# KiCad board WS2812B LED Ring7.kicad_pcb (continued)
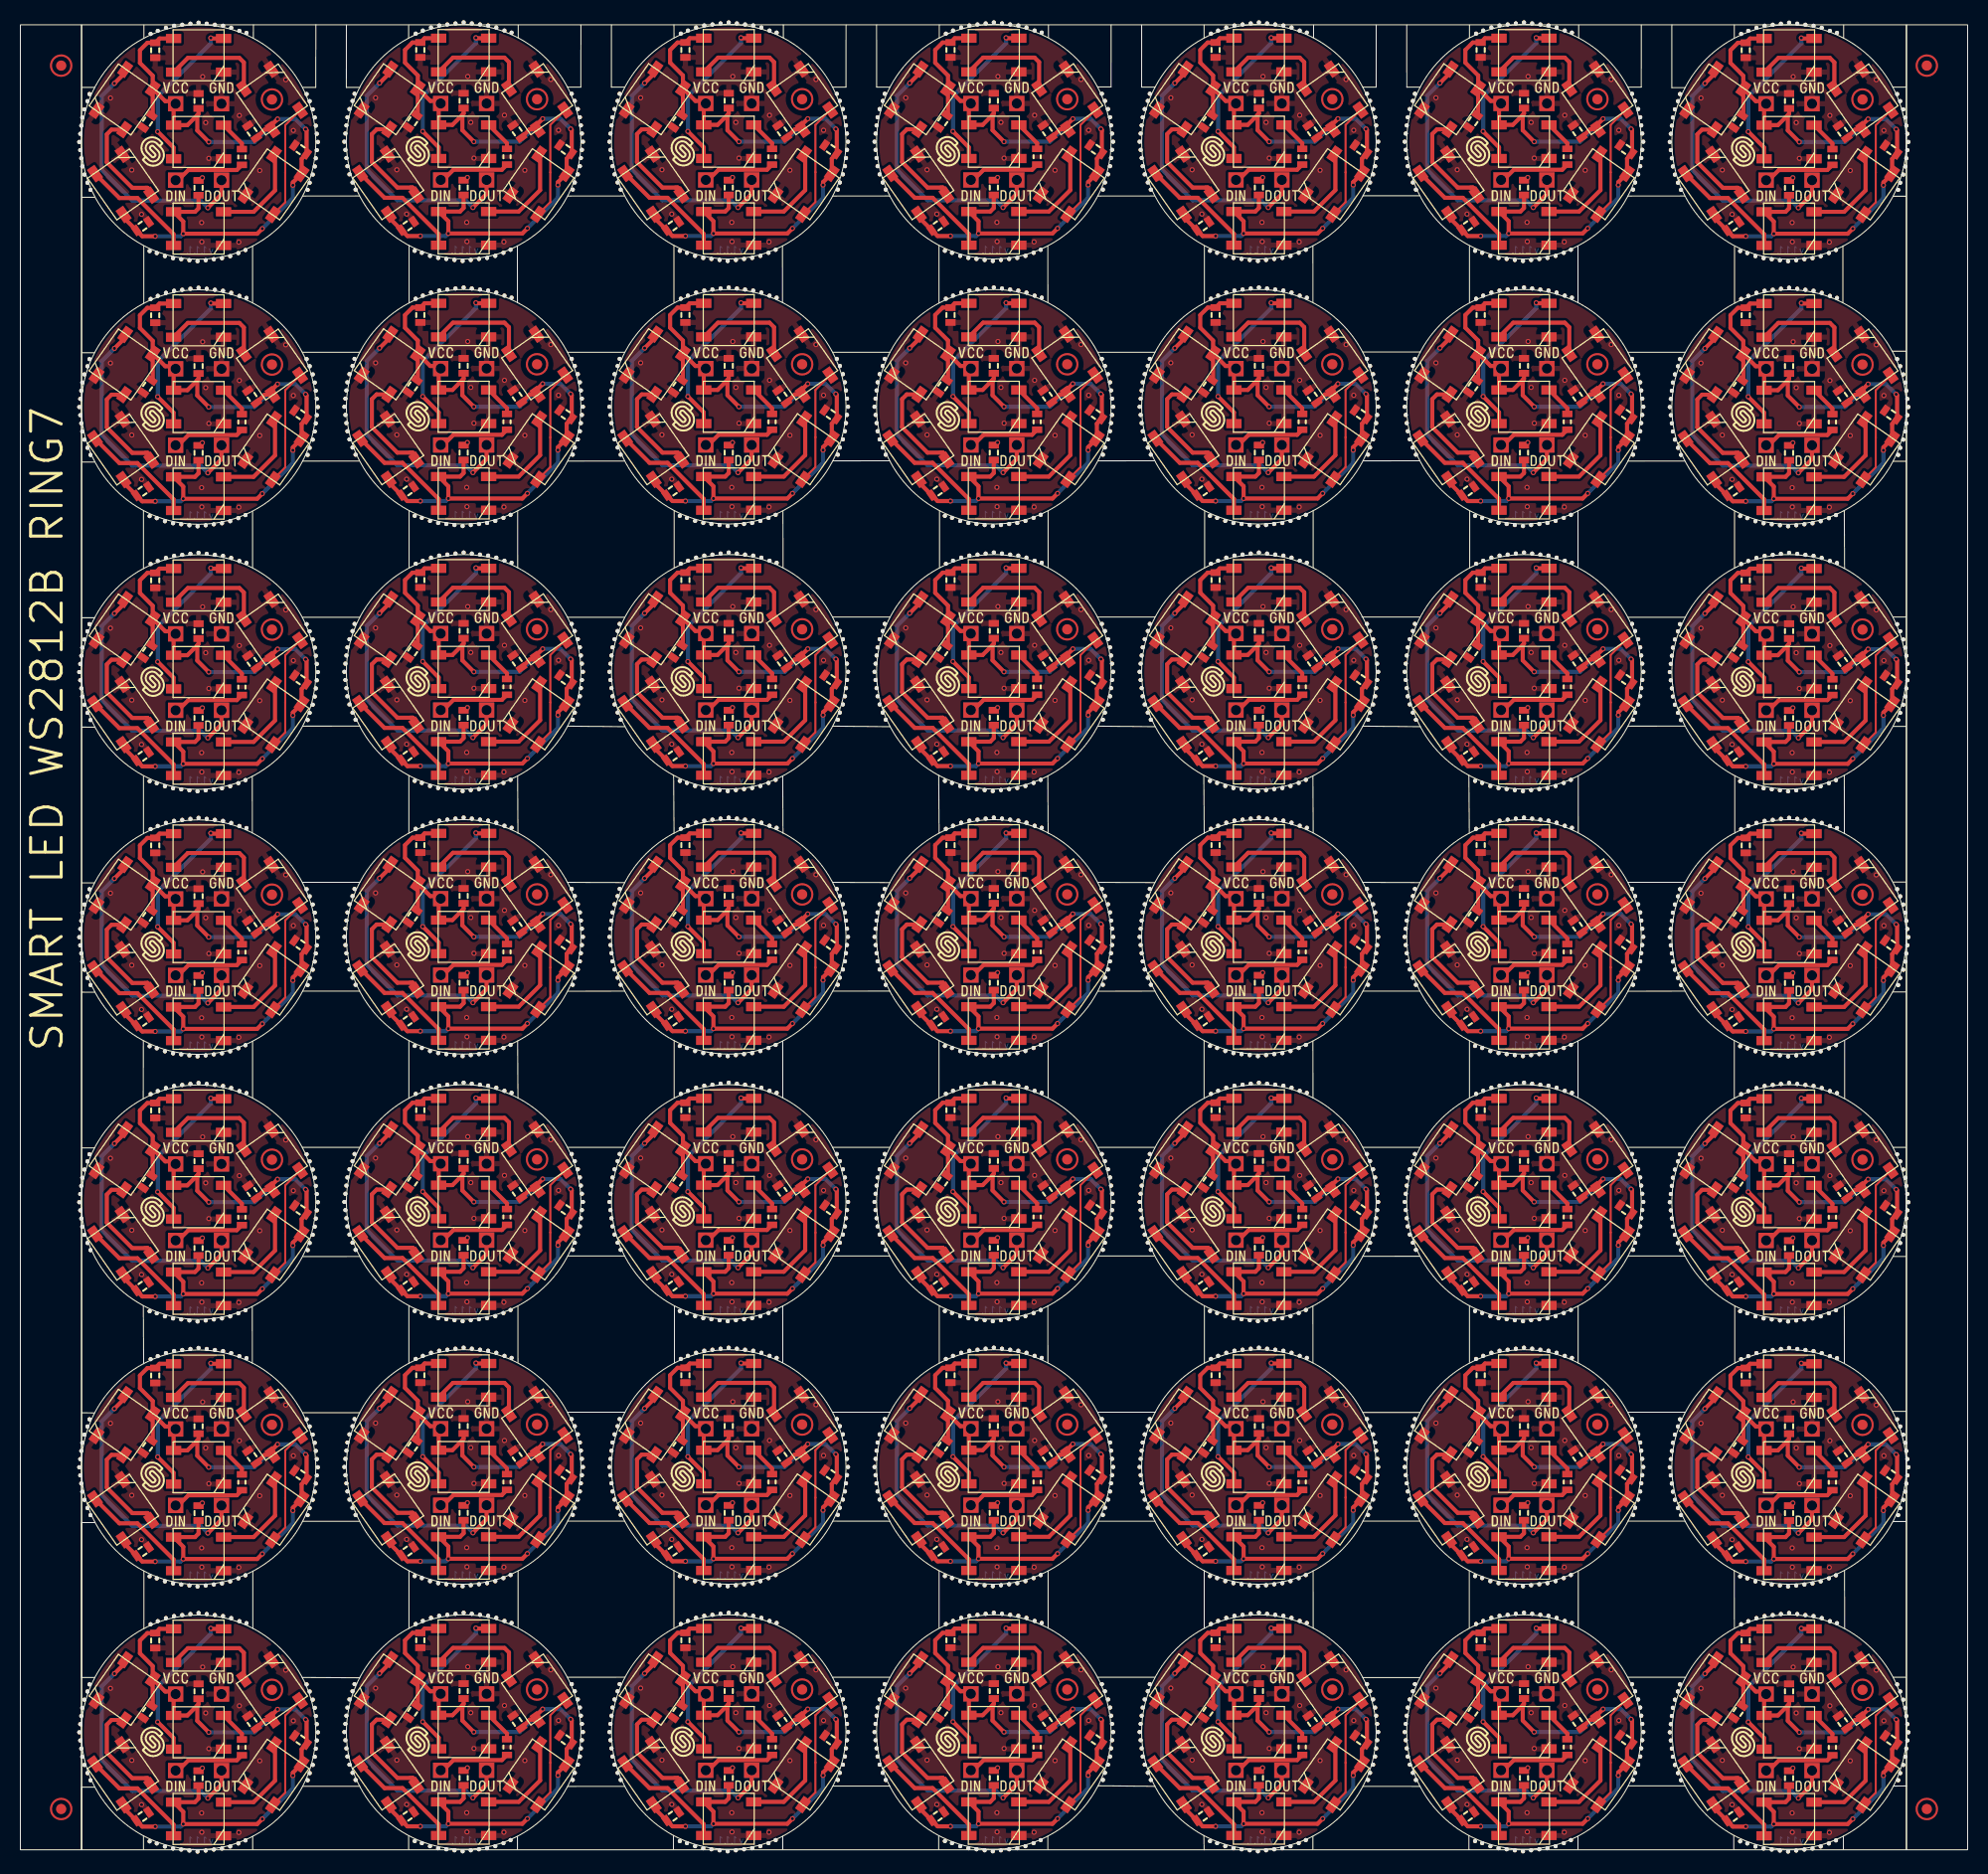
[diagram p0: board, top side]
## Placement (name value [footprint] x y rotation side) (continued)
REF**#2178  -  [HOLE_0.5mm]  159.18 115.56 0 top
REF**#2179  -  [HOLE_0.5mm]  143.47 178.46 90 top
REF**#2180  -  [HOLE_0.5mm]  136.57 119.56 180 top
REF**#2181  -  [HOLE_0.5mm]  71.07 23.06 90 top
REF**#2182  -  [HOLE_0.5mm]  162.07 169.94 180 top
REF**#2183  Logo-Front-SolderedFULL-15mm  [Logo-Back-SolderedFULL-15mm]  43.91 167.82 0 top
REF**#2184  -  [HOLE_0.5mm]  146.68 23.16 90 top
REF**#2185  -  [HOLE_0.5mm]  80.88 87.16 0 top
REF**#2186  Logo-Front-SolderedFULL-15mm  [Logo-Back-SolderedFULL-15mm]  121.91 141.82 0 top
REF**#2187  -  [HOLE_0.5mm]  57.88 10.76 180 top
REF**#2188  -  [HOLE_0.5mm]  158.68 66.76 0 top
REF**#2189  -  [HOLE_0.5mm]  84.07 169.96 180 top
REF**#2190  -  [HOLE_0.5mm]  97.88 152.96 90 top
REF**#2191  -  [HOLE_0.5mm]  126.18 100.26 90 top
REF**#2192  -  [HOLE_0.5mm]  81.07 142.36 0 top
REF**#2193  -  [HOLE_0.5mm]  67.78 156.06 270 top
REF**#2194  -  [HOLE_0.5mm]  161.78 63.53 180 top
REF**#2195  -  [HOLE_0.5mm]  136.28 60.36 180 top
REF**#2196  -  [HOLE_0.5mm]  58.78 94.26 180 top
REF**#2197  -  [HOLE_0.5mm]  19.78 0.13 270 top
REF**#2198  -  [HOLE_0.5mm]  143.38 0.66 270 top
REF**#2199  -  [HOLE_0.5mm]  174.18 -0.06 270 top
REF**#2200  -  [HOLE_0.5mm]  151.47 152.46 90 top
REF**#2201  -  [HOLE_0.5mm]  91.47 74.46 90 top
REF**#2202  -  [HOLE_0.5mm]  70.18 103.96 270 top
REF**#2203  -  [HOLE_0.5mm]  80.38 137.56 0 top
REF**#2204  -  [HOLE_0.5mm]  72.68 178.76 90 top
REF**#2205  -  [HOLE_0.5mm]  96.97 52.06 270 top
REF**#2206  -  [HOLE_0.5mm]  106.38 111.56 0 top
REF**#2207  -  [HOLE_0.5mm]  159.07 114.76 0 top
REF**#2208  -  [HOLE_0.5mm]  158.88 165.16 0 top
REF**#2209  -  [HOLE_0.5mm]  119.78 0.06 270 top
REF**#2210  -  [HOLE_0.5mm]  15.78 130.03 270 top
REF**#2211  -  [HOLE_0.5mm]  47.38 156.66 270 top
REF**#2212  -  [HOLE_0.5mm]  148.18 -0.04 270 top
REF**#2213  -  [HOLE_0.5mm]  32.78 42.26 180 top
REF**#2214  -  [HOLE_0.5mm]  161.97 139.94 180 top
REF**#2215  -  [HOLE_0.5mm]  66.97 156.16 270 top
REF**#2216  -  [HOLE_0.5mm]  132.07 120.26 0 top
REF**#2217  -  [HOLE_0.5mm]  161.97 91.13 180 top
REF**#2218  -  [HOLE_0.5mm]  144.97 130.16 270 top
REF**#2219  -  [HOLE_0.5mm]  28.67 14.73 0 top
REF**#2220  -  [HOLE_0.5mm]  143.47 100.46 90 top
REF**#2221  -  [HOLE_0.5mm]  158.38 111.56 0 top
REF**#2222  -  [HOLE_0.5mm]  118.97 104.16 270 top
REF**#2223  -  [HOLE_0.5mm]  54.88 113.16 0 top
REF**#2224  -  [HOLE_0.5mm]  123.78 26.16 270 top
REF**#2225  -  [HOLE_0.5mm]  73.38 26.66 270 top
REF**#2226  -  [HOLE_0.5mm]  68.57 51.96 270 top
REF**#2227  -  [HOLE_0.5mm]  80.38 119.56 0 top
REF**#2228  -  [HOLE_0.5mm]  161.97 13.13 180 top
REF**#2229  -  [HOLE_0.5mm]  46.58 130.36 270 top
REF**#2230  -  [HOLE_0.5mm]  106.38 67.56 0 top
REF**#2231  -  [HOLE_0.5mm]  67.88 75.06 90 top
REF**#2232  Logo-Front-SolderedFULL-15mm  [Logo-Back-SolderedFULL-15mm]  121.91 63.82 0 top
REF**#2233  -  [HOLE_0.5mm]  71.07 75.06 90 top
REF**#2234  -  [HOLE_0.5mm]  70.28 49.16 90 top
REF**#2235  -  [HOLE_0.5mm]  124.57 104.36 270 top
REF**#2236  -  [HOLE_0.5mm]  31.88 38.36 180 top
REF**#2237  -  [HOLE_0.5mm]  48.17 22.26 90 top
REF**#2238  -  [HOLE_0.5mm]  161.97 169.13 180 top
REF**#2239  -  [HOLE_0.5mm]  80.18 84.86 0 top
REF**#2240  -  [HOLE_0.5mm]  95.38 51.86 270 top
REF**#2241  -  [HOLE_0.5mm]  148.28 127.16 90 top
REF**#2242  -  [HOLE_0.5mm]  162.28 144.73 180 top
REF**#2243  -  [HOLE_0.5mm]  125.38 52.66 270 top
REF**#2244  -  [HOLE_0.5mm]  106.38 93.56 0 top
REF**#2245  -  [HOLE_0.5mm]  18.28 75.13 90 top
REF**#2246  -  [HOLE_0.5mm]  41.78 52.06 270 top
REF**#2247  -  [HOLE_0.5mm]  29.17 167.53 0 top
REF**#2248  -  [HOLE_0.5mm]  65.47 100.46 90 top
REF**#2249  -  [HOLE_0.5mm]  178.18 22.23 90 top
REF**#2250  -  [HOLE_0.5mm]  122.28 101.16 90 top
REF**#2251  -  [HOLE_0.5mm]  178.07 156.94 270 top
REF**#2252  -  [HOLE_0.5mm]  145.88 101.06 90 top
REF**#2253  -  [HOLE_0.5mm]  65.38 130.66 270 top
REF**#2254  -  [HOLE_0.5mm]  162.88 136.83 180 top
REF**#2255  -  [HOLE_0.5mm]  171.88 101.03 90 top
REF**#2256  -  [HOLE_0.5mm]  99.47 48.46 90 top
REF**#2257  -  [HOLE_0.5mm]  122.28 49.16 90 top
REF**#2258  -  [HOLE_0.5mm]  83.88 90.36 180 top
REF**#2259  -  [HOLE_0.5mm]  13.38 78.63 270 top
REF**#2260  -  [HOLE_0.5mm]  135.88 142.36 180 top
REF**#2261  -  [HOLE_0.5mm]  174.18 155.94 270 top
REF**#2262  -  [HOLE_0.5mm]  133.07 36.76 0 top
REF**#2263  -  [HOLE_0.5mm]  21.38 130.63 270 top
REF**#2264  -  [HOLE_0.5mm]  132.38 137.56 0 top
REF**#2265  -  [HOLE_0.5mm]  110.28 40.76 180 top
REF**#2266  -  [HOLE_0.5mm]  170.28 74.73 90 top
REF**#2267  -  [HOLE_0.5mm]  159.07 168.36 0 top
REF**#2268  -  [HOLE_0.5mm]  13.38 130.63 270 top
REF**#2269  -  [HOLE_0.5mm]  31.88 62.76 180 top
REF**#2270  -  [HOLE_0.5mm]  148.28 153.16 90 top
REF**#2271  -  [HOLE_0.5mm]  83.97 65.16 180 top
REF**#2272  -  [HOLE_0.5mm]  19.78 104.13 270 top
REF**#2273  -  [HOLE_0.5mm]  123.78 130.16 270 top
REF**#2274  -  [HOLE_0.5mm]  32.58 33.56 180 top
REF**#2275  -  [HOLE_0.5mm]  84.57 59.56 180 top
REF**#2276  -  [HOLE_0.5mm]  162.78 94.23 180 top
REF**#2277  -  [HOLE_0.5mm]  29.17 63.53 0 top
REF**#2278  -  [HOLE_0.5mm]  106.68 144.76 0 top
REF**#2279  -  [HOLE_0.5mm]  106.88 117.96 0 top
REF**#2280  -  [HOLE_0.5mm]  184.68 40.73 0 top
REF**#2281  -  [HOLE_0.5mm]  136.57 15.56 180 top
REF**#2282  -  [HOLE_0.5mm]  110.57 137.56 180 top
REF**#2283  -  [HOLE_0.5mm]  44.17 155.96 270 top
REF**#2284  -  [HOLE_0.5mm]  118.28 178.76 90 top
REF**#2285  -  [HOLE_0.5mm]  54.67 14.76 0 top
REF**#2286  -  [HOLE_0.5mm]  40.28 48.76 90 top
REF**#2287  -  [HOLE_0.5mm]  67.78 26.06 270 top
REF**#2288  -  [HOLE_0.5mm]  15.88 127.03 90 top
REF**#2289  -  [HOLE_0.5mm]  170.28 22.73 90 top
REF**#2290  -  [HOLE_0.5mm]  110.28 144.76 180 top
REF**#2291  -  [HOLE_0.5mm]  6.28 8.33 180 top
REF**#2292  -  [HOLE_0.5mm]  178.07 0.94 270 top
REF**#2293  -  [HOLE_0.5mm]  148.28 179.16 90 top
REF**#2294  -  [HOLE_0.5mm]  176.68 152.73 90 top
REF**#2295  -  [HOLE_0.5mm]  149.07 101.06 90 top
REF**#2296  -  [HOLE_0.5mm]  44.28 153.16 90 top
REF**#2297  -  [HOLE_0.5mm]  152.18 126.26 90 top
REF**#2298  -  [HOLE_0.5mm]  94.68 75.16 90 top
REF**#2299  -  [HOLE_0.5mm]  96.28 153.16 90 top
REF**#2300  -  [HOLE_0.5mm]  169.47 22.44 90 top
REF**#2301  -  [HOLE_0.5mm]  173.47 179.23 90 top
REF**#2302  -  [HOLE_0.5mm]  158.97 113.96 0 top
REF**#2303  -  [HOLE_0.5mm]  6.28 66.73 180 top
REF**#2304  -  [HOLE_0.5mm]  110.28 164.36 180 top
REF**#2305  -  [HOLE_0.5mm]  150.68 74.76 90 top
REF**#2306  -  [HOLE_0.5mm]  93.88 101.06 90 top
REF**#2307  -  [HOLE_0.5mm]  174.28 179.13 90 top
REF**#2308  -  [HOLE_0.5mm]  38.67 104.86 270 top
REF**#2309  -  [HOLE_0.5mm]  58.88 136.86 180 top
REF**#2310  -  [HOLE_0.5mm]  41.78 78.06 270 top
REF**#2311  -  [HOLE_0.5mm]  132.07 68.26 0 top
REF**#2312  -  [HOLE_0.5mm]  55.08 116.36 0 top
REF**#2313  -  [HOLE_0.5mm]  81.18 141.56 0 top
REF**#2314  -  [HOLE_0.5mm]  174.18 51.94 270 top
REF**#2315  -  [HOLE_0.5mm]  135.88 38.36 180 top
REF**#2316  -  [HOLE_0.5mm]  135.88 168.36 180 top
REF**#2317  -  [HOLE_0.5mm]  168.78 152.13 90 top
REF**#2318  -  [HOLE_0.5mm]  159.07 116.36 0 top
REF**#2319  -  [HOLE_0.5mm]  146.57 129.96 270 top
REF**#2320  -  [HOLE_0.5mm]  132.18 58.86 0 top
REF**#2321  -  [HOLE_0.5mm]  99.47 178.46 90 top
REF**#2322  -  [HOLE_0.5mm]  162.57 119.53 180 top
REF**#2323  -  [HOLE_0.5mm]  80.68 144.76 0 top
REF**#2324  -  [HOLE_0.5mm]  119.07 152.96 90 top
REF**#2325  -  [HOLE_0.5mm]  14.17 104.33 270 top
REF**#2326  -  [HOLE_0.5mm]  171.88 127.03 90 top
REF**#2327  -  [HOLE_0.5mm]  132.07 16.26 0 top
REF**#2328  Logo-Front-SolderedFULL-15mm  [Logo-Back-SolderedFULL-15mm]  121.91 37.82 0 top
REF**#2329  -  [HOLE_0.5mm]  146.57 -0.04 270 top
REF**#2330  -  [HOLE_0.5mm]  118.97 78.16 270 top
REF**#2331  -  [HOLE_0.5mm]  5.97 143.13 180 top
REF**#2332  -  [HOLE_0.5mm]  40.97 0.16 270 top
REF**#2333  -  [HOLE_0.5mm]  110.07 143.96 180 top
REF**#2334  -  [HOLE_0.5mm]  135.97 143.16 180 top
REF**#2335  -  [HOLE_0.5mm]  142.68 52.86 270 top
REF**#2336  -  [HOLE_0.5mm]  81.18 37.56 0 top
REF**#2337  -  [HOLE_0.5mm]  6.28 34.33 180 top
REF**#2338  -  [HOLE_0.5mm]  73.47 22.46 90 top
REF**#2339  -  [HOLE_0.5mm]  64.68 52.86 270 top
REF**#2340  -  [HOLE_0.5mm]  148.18 77.96 270 top
REF**#2341  -  [HOLE_0.5mm]  185.07 38.33 0 top
REF**#2342  -  [HOLE_0.5mm]  146.68 153.16 90 top
REF**#2343  -  [HOLE_0.5mm]  67.78 78.06 270 top
REF**#2344  -  [HOLE_0.5mm]  184.97 117.13 0 top
REF**#2345  -  [HOLE_0.5mm]  58.78 146.26 180 top
REF**#2346  -  [HOLE_0.5mm]  32.08 91.96 180 top
REF**#2347  -  [HOLE_0.5mm]  28.88 13.94 0 top
REF**#2348  -  [HOLE_0.5mm]  5.88 90.33 180 top
REF**#2349  -  [HOLE_0.5mm]  178.18 178.23 90 top
REF**#2350  -  [HOLE_0.5mm]  68.68 153.16 90 top
REF**#2351  -  [HOLE_0.5mm]  5.88 166.73 180 top
REF**#2352  -  [HOLE_0.5mm]  132.38 163.56 0 top
REF**#2353  -  [HOLE_0.5mm]  171.88 23.03 90 top
REF**#2354  -  [HOLE_0.5mm]  80.97 35.96 0 top
REF**#2355  -  [HOLE_0.5mm]  83.97 91.16 180 top
REF**#2356  -  [HOLE_0.5mm]  32.78 94.26 180 top
REF**#2357  -  [HOLE_0.5mm]  119.88 75.06 90 top
REF**#2358  -  [HOLE_0.5mm]  93.78 104.06 270 top
REF**#2359  -  [HOLE_0.5mm]  158.97 91.16 0 top
REF**#2360  -  [HOLE_0.5mm]  28.88 139.13 0 top
REF**#2361  -  [HOLE_0.5mm]  58.88 110.86 180 top
REF**#2362  -  [HOLE_0.5mm]  81.07 88.76 0 top
REF**#2363  -  [HOLE_0.5mm]  144.28 126.76 90 top
REF**#2364  -  [HOLE_0.5mm]  106.68 118.76 0 top
REF**#2365  -  [HOLE_0.5mm]  161.88 140.73 180 top
REF**#2366  -  [HOLE_0.5mm]  92.28 22.76 90 top
REF**#2367  -  [HOLE_0.5mm]  58.08 143.96 180 top
REF**#2368  -  [HOLE_0.5mm]  95.47 153.26 90 top
REF**#2369  -  [HOLE_0.5mm]  42.67 75.16 90 top
REF**#2370  -  [HOLE_0.5mm]  93.07 126.96 90 top
REF**#2371  -  [HOLE_0.5mm]  20.67 178.73 90 top
REF**#2372  -  [HOLE_0.5mm]  119.78 78.06 270 top
REF**#2373  -  [HOLE_0.5mm]  133.07 90.36 0 top
REF**#2374  -  [HOLE_0.5mm]  136.28 66.76 180 top
REF**#2375  -  [HOLE_0.5mm]  151.47 22.46 90 top
REF**#2376  -  [HOLE_0.5mm]  40.17 26.36 270 top
REF**#2377  -  [HOLE_0.5mm]  58.78 172.26 180 top
REF**#2378  -  [HOLE_0.5mm]  17.47 49.23 90 top
REF**#2379  -  [HOLE_0.5mm]  15.78 78.03 270 top
REF**#2380  -  [HOLE_0.5mm]  44.28 23.16 90 top
REF**#2381  -  [HOLE_0.5mm]  110.07 113.16 180 top
REF**#2382  -  [HOLE_0.5mm]  6.88 110.83 180 top
REF**#2383  -  [HOLE_0.5mm]  18.28 23.13 90 top
REF**#2384  -  [HOLE_0.5mm]  45.78 104.16 270 top
REF**#2385  -  [HOLE_0.5mm]  122.18 155.96 270 top
REF**#2386  -  [HOLE_0.5mm]  152.18 100.26 90 top
REF**#2387  -  [HOLE_0.5mm]  29.08 168.33 0 top
REF**#2388  -  [HOLE_0.5mm]  136.28 170.76 180 top
REF**#2389  Logo-Front-SolderedFULL-15mm  [Logo-Back-SolderedFULL-15mm]  173.91 115.79 0 top
REF**#2390  -  [HOLE_0.5mm]  185.07 62.73 0 top
REF**#2391  -  [HOLE_0.5mm]  126.07 78.96 270 top
REF**#2392  Logo-Front-SolderedFULL-15mm  [Logo-Back-SolderedFULL-15mm]  69.91 141.82 0 top
REF**#2393  -  [HOLE_0.5mm]  48.17 152.26 90 top
REF**#2394  Logo-Front-SolderedFULL-15mm  [Logo-Back-SolderedFULL-15mm]  95.91 63.82 0 top
REF**#2395  -  [HOLE_0.5mm]  6.78 94.23 180 top
REF**#2396  -  [HOLE_0.5mm]  91.47 100.46 90 top
REF**#2397  -  [HOLE_0.5mm]  5.97 113.94 180 top
REF**#2398  -  [HOLE_0.5mm]  80.68 170.76 0 top
REF**#2399  -  [HOLE_0.5mm]  46.67 152.76 90 top
REF**#2400  -  [HOLE_0.5mm]  158.88 39.96 0 top
REF**#2401  -  [HOLE_0.5mm]  121.47 101.26 90 top
REF**#2402  -  [HOLE_0.5mm]  133.07 116.36 0 top
REF**#2403  -  [HOLE_0.5mm]  135.88 140.76 180 top
REF**#2404  -  [HOLE_0.5mm]  83.78 37.56 180 top
REF**#2405  -  [HOLE_0.5mm]  110.57 41.56 180 top
REF**#2406  -  [HOLE_0.5mm]  5.97 65.13 180 top
REF**#2407  -  [HOLE_0.5mm]  100.18 100.26 90 top
REF**#2408  -  [HOLE_0.5mm]  175.88 178.94 90 top
REF**#2409  -  [HOLE_0.5mm]  6.58 85.53 180 top
REF**#2410  -  [HOLE_0.5mm]  13.47 126.44 90 top
REF**#2411  -  [HOLE_0.5mm]  54.08 42.26 0 top
REF**#2412  -  [HOLE_0.5mm]  54.17 110.86 0 top
REF**#2413  -  [HOLE_0.5mm]  54.97 169.16 0 top
REF**#2414  -  [HOLE_0.5mm]  66.28 22.76 90 top
REF**#2415  -  [HOLE_0.5mm]  168.68 52.83 270 top
REF**#2416  -  [HOLE_0.5mm]  84.88 162.86 180 top
REF**#2417  -  [HOLE_0.5mm]  142.78 48.16 90 top
REF**#2418  -  [HOLE_0.5mm]  54.97 61.96 0 top
REF**#2419  -  [HOLE_0.5mm]  15.88 49.03 90 top
REF**#2420  -  [HOLE_0.5mm]  109.97 87.96 180 top
REF**#2421  -  [HOLE_0.5mm]  146.57 155.96 270 top
REF**#2422  -  [HOLE_0.5mm]  107.07 36.76 0 top
REF**#2423  -  [HOLE_0.5mm]  97.78 26.16 270 top
REF**#2424  -  [HOLE_0.5mm]  58.28 86.36 180 top
REF**#2425  -  [HOLE_0.5mm]  118.97 52.16 270 top
REF**#2426  -  [HOLE_0.5mm]  70.18 51.96 270 top
REF**#2427  -  [HOLE_0.5mm]  109.88 62.76 180 top
REF**#2428  -  [HOLE_0.5mm]  151.47 100.46 90 top
REF**#2429  -  [HOLE_0.5mm]  32.08 143.96 180 top
REF**#2430  -  [HOLE_0.5mm]  19.88 100.94 90 top
REF**#2431  -  [HOLE_0.5mm]  55.08 64.36 0 top
REF**#2432  -  [HOLE_0.5mm]  6.08 169.94 180 top
REF**#2433  -  [HOLE_0.5mm]  106.97 61.96 0 top
REF**#2434  -  [HOLE_0.5mm]  40.17 78.36 270 top
REF**#2435  -  [HOLE_0.5mm]  158.97 87.96 0 top
REF**#2436  -  [HOLE_0.5mm]  123.78 156.16 270 top
REF**#2437  -  [HOLE_0.5mm]  106.38 33.56 0 top
REF**#2438  -  [HOLE_0.5mm]  150.68 22.76 90 top
REF**#2439  -  [HOLE_0.5mm]  143.38 130.66 270 top
REF**#2440  -  [HOLE_0.5mm]  95.38 129.86 270 top
REF**#2441  -  [HOLE_0.5mm]  117.47 100.46 90 top
REF**#2442  -  [HOLE_0.5mm]  96.97 104.06 270 top
REF**#2443  -  [HOLE_0.5mm]  107.07 90.36 0 top
REF**#2444  -  [HOLE_0.5mm]  41.88 101.06 90 top
REF**#2445  -  [HOLE_0.5mm]  42.58 155.96 270 top
REF**#2446  -  [HOLE_0.5mm]  55.08 140.76 0 top
REF**#2447  -  [HOLE_0.5mm]  20.58 130.33 270 top
REF**#2448  -  [HOLE_0.5mm]  98.68 22.76 90 top
REF**#2449  -  [HOLE_0.5mm]  109.97 65.16 180 top
REF**#2450  -  [HOLE_0.5mm]  58.28 112.36 180 top
REF**#2451  -  [HOLE_0.5mm]  122.97 0.06 270 top
REF**#2452  -  [HOLE_0.5mm]  28.38 59.53 0 top
REF**#2453  -  [HOLE_0.5mm]  109.97 169.16 180 top
REF**#2454  -  [HOLE_0.5mm]  32.28 138.36 180 top
REF**#2455  -  [HOLE_0.5mm]  106.07 146.26 0 top
REF**#2456  -  [HOLE_0.5mm]  110.28 138.36 180 top
REF**#2457  -  [HOLE_0.5mm]  70.97 78.06 270 top
REF**#2458  -  [HOLE_0.5mm]  162.07 35.13 180 top
REF**#2459  -  [HOLE_0.5mm]  6.88 32.83 180 top
REF**#2460  -  [HOLE_0.5mm]  95.47 127.26 90 top
REF**#2461  -  [HOLE_0.5mm]  149.78 78.16 270 top
REF**#2462  -  [HOLE_0.5mm]  5.88 36.73 180 top
REF**#2463  -  [HOLE_0.5mm]  99.38 156.66 270 top
REF**#2464  -  [HOLE_0.5mm]  99.47 100.46 90 top
REF**#2465  -  [HOLE_0.5mm]  133.18 89.56 0 top
REF**#2466  -  [HOLE_0.5mm]  151.38 78.66 270 top
REF**#2467  -  [HOLE_0.5mm]  170.97 104.13 270 top
REF**#2468  -  [HOLE_0.5mm]  32.08 87.16 180 top
REF**#2469  -  [HOLE_0.5mm]  64.68 104.86 270 top
REF**#2470  -  [HOLE_0.5mm]  184.68 170.73 0 top
REF**#2471  -  [HOLE_0.5mm]  19.08 179.03 90 top
REF**#2472  -  [HOLE_0.5mm]  46.67 48.76 90 top
REF**#2473  -  [HOLE_0.5mm]  142.78 74.16 90 top
REF**#2474  -  [HOLE_0.5mm]  145.88 153.06 90 top
REF**#2475  -  [HOLE_0.5mm]  175.07 101.03 90 top
REF**#2476  -  [HOLE_0.5mm]  185.18 63.53 0 top
REF**#2477  -  [HOLE_0.5mm]  83.88 10.76 180 top
REF**#2478  -  [HOLE_0.5mm]  158.18 58.86 0 top
REF**#2479  -  [HOLE_0.5mm]  28.88 9.13 0 top
REF**#2480  -  [HOLE_0.5mm]  122.18 25.96 270 top
REF**#2481  -  [HOLE_0.5mm]  55.08 168.36 0 top
REF**#2482  -  [HOLE_0.5mm]  38.67 130.86 270 top
REF**#2483  -  [HOLE_0.5mm]  54.17 32.86 0 top
REF**#2484  -  [HOLE_0.5mm]  57.97 87.96 180 top
REF**#2485  -  [HOLE_0.5mm]  119.07 178.96 90 top
REF**#2486  -  [HOLE_0.5mm]  13.47 22.44 90 top
REF**#2487  -  [HOLE_0.5mm]  175.07 153.03 90 top
REF**#2488  -  [HOLE_0.5mm]  109.97 61.96 180 top
REF**#2489  -  [HOLE_0.5mm]  174.97 156.03 270 top
REF**#2490  -  [HOLE_0.5mm]  80.07 94.26 0 top
REF**#2491  -  [HOLE_0.5mm]  17.38 25.83 270 top
REF**#2492  -  [HOLE_0.5mm]  120.57 -0.04 270 top
REF**#2493  -  [HOLE_0.5mm]  132.68 170.76 0 top
REF**#2494  -  [HOLE_0.5mm]  32.58 15.56 180 top
REF**#2495  -  [HOLE_0.5mm]  136.57 59.56 180 top
REF**#2496  -  [HOLE_0.5mm]  96.18 103.96 270 top
REF**#2497  -  [HOLE_0.5mm]  44.97 52.06 270 top
REF**#2498  -  [HOLE_0.5mm]  147.38 103.86 270 top
REF**#2499  -  [HOLE_0.5mm]  145.88 49.06 90 top
REF**#2500  -  [HOLE_0.5mm]  158.97 39.16 0 top
REF**#2501  -  [HOLE_0.5mm]  136.57 33.56 180 top
REF**#2502  -  [HOLE_0.5mm]  150.68 126.76 90 top
REF**#2503  -  [HOLE_0.5mm]  145.88 75.06 90 top
REF**#2504  -  [HOLE_0.5mm]  80.97 165.96 0 top
REF**#2505  -  [HOLE_0.5mm]  39.38 130.66 270 top
REF**#2506  -  [HOLE_0.5mm]  41.88 179.06 90 top
REF**#2507  -  [HOLE_0.5mm]  15.08 152.94 90 top
REF**#2508  -  [HOLE_0.5mm]  32.28 66.76 180 top
REF**#2509  -  [HOLE_0.5mm]  109.97 9.96 180 top
REF**#2510  -  [HOLE_0.5mm]  133.07 62.76 0 top
REF**#2511  -  [HOLE_0.5mm]  66.28 48.76 90 top
REF**#2512  -  [HOLE_0.5mm]  184.07 16.23 0 top
REF**#2513  -  [HOLE_0.5mm]  84.88 58.86 180 top
REF**#2514  -  [HOLE_0.5mm]  58.58 145.56 180 top
REF**#2515  -  [HOLE_0.5mm]  158.88 87.16 0 top
REF**#2516  -  [HOLE_0.5mm]  93.88 23.06 90 top
REF**#2517  -  [HOLE_0.5mm]  136.57 93.56 180 top
REF**#2518  -  [HOLE_0.5mm]  58.58 41.56 180 top
REF**#2519  -  [HOLE_0.5mm]  184.38 7.53 0 top
REF**#2520  -  [HOLE_0.5mm]  72.57 156.36 270 top
REF**#2521  -  [HOLE_0.5mm]  16.67 101.13 90 top
REF**#2522  -  [HOLE_0.5mm]  158.38 171.56 0 top
REF**#2523  -  [HOLE_0.5mm]  162.28 34.33 180 top
REF**#2524  -  [HOLE_0.5mm]  124.68 22.76 90 top
REF**#2525  -  [HOLE_0.5mm]  54.67 118.76 0 top
REF**#2526  -  [HOLE_0.5mm]  150.57 52.36 270 top
REF**#2527  -  [HOLE_0.5mm]  80.88 35.16 0 top
REF**#2528  -  [HOLE_0.5mm]  162.57 67.53 180 top
REF**#2529  -  [HOLE_0.5mm]  72.57 78.36 270 top
REF**#2530  -  [HOLE_0.5mm]  68.68 127.16 90 top
REF**#2531  -  [HOLE_0.5mm]  15.78 52.03 270 top
REF**#2532  -  [HOLE_0.5mm]  107.18 141.56 0 top
REF**#2533  -  [HOLE_0.5mm]  132.68 92.76 0 top
REF**#2534  -  [HOLE_0.5mm]  162.57 15.53 180 top
REF**#2535  -  [HOLE_0.5mm]  169.38 130.63 270 top
REF**#2536  -  [HOLE_0.5mm]  135.88 64.36 180 top
REF**#2537  -  [HOLE_0.5mm]  173.47 75.23 90 top
REF**#2538  -  [HOLE_0.5mm]  83.78 11.56 180 top
REF**#2539  -  [HOLE_0.5mm]  73.47 100.46 90 top
REF**#2540  -  [HOLE_0.5mm]  15.08 178.94 90 top
REF**#2541  -  [HOLE_0.5mm]  39.47 74.46 90 top
REF**#2542  -  [HOLE_0.5mm]  98.57 0.36 270 top
REF**#2543  -  [HOLE_0.5mm]  14.28 178.73 90 top
REF**#2544  -  [HOLE_0.5mm]  110.57 33.56 180 top
REF**#2545  -  [HOLE_0.5mm]  92.28 48.76 90 top
REF**#2546  -  [HOLE_0.5mm]  107.18 89.56 0 top
REF**#2547  -  [HOLE_0.5mm]  159.07 90.36 0 top
REF**#2548  -  [HOLE_0.5mm]  173.47 153.23 90 top
REF**#2549  -  [HOLE_0.5mm]  109.88 116.36 180 top
REF**#2550  -  [HOLE_0.5mm]  110.88 110.86 180 top
REF**#2551  -  [HOLE_0.5mm]  169.38 0.63 270 top
REF**#2552  -  [HOLE_0.5mm]  22.17 48.23 90 top
REF**#2553  -  [HOLE_0.5mm]  69.47 75.26 90 top
REF**#2554  -  [HOLE_0.5mm]  72.57 52.36 270 top
REF**#2555  -  [HOLE_0.5mm]  46.58 78.36 270 top
REF**#2556  -  [HOLE_0.5mm]  132.68 86.36 0 top
REF**#2557  -  [HOLE_0.5mm]  28.17 58.83 0 top
REF**#2558  -  [HOLE_0.5mm]  145.07 178.96 90 top
REF**#2559  -  [HOLE_0.5mm]  176.68 74.73 90 top
REF**#2560  -  [HOLE_0.5mm]  42.67 153.16 90 top
REF**#2561  -  [HOLE_0.5mm]  94.57 129.96 270 top
REF**#2562  -  [HOLE_0.5mm]  80.07 120.26 0 top
REF**#2563  -  [HOLE_0.5mm]  94.68 23.16 90 top
REF**#2564  -  [HOLE_0.5mm]  162.88 32.83 180 top
REF**#2565  -  [HOLE_0.5mm]  28.97 165.94 0 top
REF**#2566  -  [HOLE_0.5mm]  28.17 84.83 0 top
REF**#2567  -  [HOLE_0.5mm]  144.28 22.76 90 top
REF**#2568  -  [HOLE_0.5mm]  170.97 130.13 270 top
REF**#2569  -  [HOLE_0.5mm]  158.38 33.56 0 top
REF**#2570  -  [HOLE_0.5mm]  162.28 8.33 180 top
REF**#2571  -  [HOLE_0.5mm]  6.28 86.33 180 top
REF**#2572  -  [HOLE_0.5mm]  66.18 26.36 270 top
REF**#2573  -  [HOLE_0.5mm]  38.78 126.16 90 top
REF**#2574  -  [HOLE_0.5mm]  39.47 48.46 90 top
REF**#2575  -  [HOLE_0.5mm]  149.88 178.96 90 top
REF**#2576  -  [HOLE_0.5mm]  38.67 78.86 270 top
REF**#2577  -  [HOLE_0.5mm]  176.68 22.73 90 top
REF**#2578  -  [HOLE_0.5mm]  144.18 52.36 270 top
REF**#2579  -  [HOLE_0.5mm]  29.17 141.53 0 top
REF**#2580  -  [HOLE_0.5mm]  110.78 68.26 180 top
REF**#2581  -  [HOLE_0.5mm]  13.38 26.63 270 top
REF**#2582  -  [HOLE_0.5mm]  39.47 178.46 90 top
REF**#2583  -  [HOLE_0.5mm]  66.97 78.16 270 top
REF**#2584  -  [HOLE_0.5mm]  41.78 130.06 270 top
REF**#2585  -  [HOLE_0.5mm]  144.97 104.16 270 top
REF**#2586  -  [HOLE_0.5mm]  106.88 165.16 0 top
REF**#2587  -  [HOLE_0.5mm]  29.08 62.73 0 top
REF**#2588  -  [HOLE_0.5mm]  149.88 74.96 90 top
REF**#2589  -  [HOLE_0.5mm]  170.97 0.13 270 top
REF**#2590  -  [HOLE_0.5mm]  54.08 16.26 0 top
REF**#2591  -  [HOLE_0.5mm]  118.28 22.76 90 top
REF**#2592  -  [HOLE_0.5mm]  28.38 15.53 0 top
REF**#2593  -  [HOLE_0.5mm]  41.08 48.96 90 top
REF**#2594  -  [HOLE_0.5mm]  28.67 170.73 0 top
REF**#2595  -  [HOLE_0.5mm]  72.57 130.36 270 top
REF**#2596  -  [HOLE_0.5mm]  5.97 61.94 180 top
REF**#2597  -  [HOLE_0.5mm]  58.08 117.96 180 top
REF**#2598  -  [HOLE_0.5mm]  184.88 165.13 0 top

## Footprints (pads in the part's own frame, mm; a bottom-side part is the same pattern mirrored in y, then rotated)
0603C
  rect 0.66x1 smd: 1(-0.73,0) 2(0.73,0)
0603R
  rect 0.64x1 smd: 1(-0.775,0) 2(0.775,0)
FIDUCIAL_23
  round 1 smd: 1(0,0)
HOLE_0.5mm
  round 0.4 hole 0.5 unplated: (0,0)
PAD_2x1.5
  rect 1.5x1.5 smd: 1(0,-0.25)
PAD_2x1.5#2
  rect 1.5x1.5 smd: 1(0,0.25)
PAD_2x1.5#3
  rect 1.5x1.5 smd: 1(0,0)
WS2812B LED
  rect 1.5x0.9 smd: 1(-2.45,1.65) 2(-2.45,-1.65) 3(2.45,-1.65) 4(2.45,1.65)
WS2812B LED#2
  rect 1.5x0.9 smd: 1(-2.45,1.65) 2(-2.45,-1.65) 3(2.45,-1.65) 4(2.45,1.65)
WS2812B LED#3
  rect 1.5x0.9 smd: 1(-2.45,1.65) 2(-2.45,-1.65) 3(2.45,-1.65) 4(2.45,1.65)

## Nets
GND: C1.2 C1#2.2 C1#3.2 C1#4.2 C1#5.2 C1#6.2 C1#7.2 C1#8.2 C1#9.2 C1#10.2 C1#11.2 C1#12.2 C1#13.2 C1#14.2 C1#15.2 C1#16.2 C1#17.2 C1#18.2 C1#19.2 C1#20.2 C1#21.2 C1#22.2 C1#23.2 C1#24.2 C1#25.2 C1#26.2 C1#27.2 C1#28.2 C1#29.2 C1#30.2 C1#31.2 C1#32.2 C1#33.2 C1#34.2 C1#35.2 C1#36.2 C1#37.2 C1#38.2 C1#39.2 C1#40.2 C1#41.2 C1#42.2 C1#43.2 C1#44.2 C1#45.2 C1#46.2 C1#47.2 C1#48.2 C1#49.2 C2.2 C2#2.2 C2#3.2 C2#4.2 C2#5.2 C2#6.2 C2#7.2 C2#8.2 C2#9.2 C2#10.2 C2#11.2 C2#12.2 C2#13.2 C2#14.2 C2#15.2 C2#16.2 C2#17.2 C2#18.2 C2#19.2 C2#20.2 C2#21.2 C2#22.2 C2#23.2 C2#24.2 C2#25.2 C2#26.2 C2#27.2 C2#28.2 C2#29.2 C2#30.2 C2#31.2 C2#32.2 C2#33.2 C2#34.2 C2#35.2 C2#36.2 C2#37.2 C2#38.2 C2#39.2 C2#40.2 C2#41.2 C2#42.2 C2#43.2 C2#44.2 C2#45.2 C2#46.2 C2#47.2 C2#48.2 C2#49.2 C3.2 C3#2.2 C3#3.2 C3#4.2 C3#5.2 C3#6.2 C3#7.2 C3#8.2 C3#9.2 C3#10.2 C3#11.2 C3#12.2 C3#13.2 C3#14.2 C3#15.2 C3#16.2 C3#17.2 C3#18.2 C3#19.2 C3#20.2 C3#21.2 C3#22.2 C3#23.2 C3#24.2 C3#25.2 C3#26.2 C3#27.2 C3#28.2 C3#29.2 C3#30.2 C3#31.2 C3#32.2 C3#33.2 C3#34.2 C3#35.2 C3#36.2 C3#37.2 C3#38.2 C3#39.2 C3#40.2 C3#41.2 C3#42.2 C3#43.2 C3#44.2 C3#45.2 C3#46.2 C3#47.2 C3#48.2 C3#49.2 C4.2 C4#2.2 C4#3.2 C4#4.2 C4#5.2 C4#6.2 C4#7.2 C4#8.2 C4#9.2 C4#10.2 C4#11.2 C4#12.2 C4#13.2 C4#14.2 C4#15.2 C4#16.2 C4#17.2 C4#18.2 C4#19.2 C4#20.2 C4#21.2 C4#22.2 C4#23.2 C4#24.2 C4#25.2 C4#26.2 C4#27.2 C4#28.2 C4#29.2 C4#30.2 C4#31.2 C4#32.2 C4#33.2 C4#34.2 C4#35.2 C4#36.2 C4#37.2 C4#38.2 C4#39.2 C4#40.2 C4#41.2 C4#42.2 C4#43.2 C4#44.2 C4#45.2 C4#46.2 C4#47.2 C4#48.2 C4#49.2 C5.2 C5#2.2 C5#3.2 C5#4.2 C5#5.2 C5#6.2 C5#7.2 C5#8.2 C5#9.2 C5#10.2 C5#11.2 C5#12.2 C5#13.2 C5#14.2 C5#15.2 C5#16.2 C5#17.2 C5#18.2 C5#19.2 C5#20.2 C5#21.2 C5#22.2 C5#23.2 C5#24.2 C5#25.2 C5#26.2 C5#27.2 C5#28.2 C5#29.2 C5#30.2 C5#31.2 C5#32.2 C5#33.2 C5#34.2 C5#35.2 C5#36.2 C5#37.2 C5#38.2 C5#39.2 C5#40.2 C5#41.2 C5#42.2 C5#43.2 C5#44.2 C5#45.2 C5#46.2 C5#47.2 C5#48.2 C5#49.2 C6.2 C6#2.2 C6#3.2 C6#4.2 C6#5.2 C6#6.2 C6#7.2 C6#8.2 C6#9.2 C6#10.2 C6#11.2 C6#12.2 C6#13.2 C6#14.2 C6#15.2 C6#16.2 C6#17.2 C6#18.2 C6#19.2 C6#20.2 C6#21.2 C6#22.2 C6#23.2 C6#24.2 C6#25.2 C6#26.2 C6#27.2 C6#28.2 C6#29.2 C6#30.2 C6#31.2 C6#32.2 C6#33.2 C6#34.2 C6#35.2 C6#36.2 C6#37.2 C6#38.2 C6#39.2 C6#40.2 C6#41.2 C6#42.2 C6#43.2 C6#44.2 C6#45.2 C6#46.2 C6#47.2 C6#48.2 C6#49.2 C7.2 C7#2.2 C7#3.2 C7#4.2 C7#5.2 C7#6.2 C7#7.2 C7#8.2 C7#9.2 C7#10.2 C7#11.2 C7#12.2 C7#13.2 C7#14.2 C7#15.2 C7#16.2 C7#17.2 C7#18.2 C7#19.2 C7#20.2 C7#21.2 C7#22.2 C7#23.2 C7#24.2 C7#25.2 C7#26.2 C7#27.2 C7#28.2 C7#29.2 C7#30.2 C7#31.2 C7#32.2 C7#33.2 C7#34.2 C7#35.2 C7#36.2 C7#37.2 C7#38.2 C7#39.2 C7#40.2 C7#41.2 C7#42.2 C7#43.2 C7#44.2 C7#45.2 C7#46.2 C7#47.2 C7#48.2 C7#49.2 LED1.3 LED1#2.3 LED1#3.3 LED1#4.3 LED1#5.3 LED1#6.3 LED1#7.3 LED1#8.3 LED1#9.3 LED1#10.3 LED1#11.3 LED1#12.3 LED1#13.3 LED1#14.3 LED1#15.3 LED1#16.3 LED1#17.3 LED1#18.3 LED1#19.3 LED1#20.3 LED1#21.3 LED1#22.3 LED1#23.3 LED1#24.3 LED1#25.3 LED1#26.3 LED1#27.3 LED1#28.3 LED1#29.3 LED1#30.3 LED1#31.3 LED1#32.3 LED1#33.3 LED1#34.3 LED1#35.3 LED1#36.3 LED1#37.3 LED1#38.3 LED1#39.3 LED1#40.3 LED1#41.3 LED1#42.3 LED1#43.3 LED1#44.3 LED1#45.3 LED1#46.3 LED1#47.3 LED1#48.3 LED1#49.3 LED2.3 LED2#2.3 LED2#3.3 LED2#4.3 LED2#5.3 LED2#6.3 LED2#7.3 LED2#8.3 LED2#9.3 LED2#10.3 LED2#11.3 LED2#12.3 LED2#13.3 LED2#14.3 LED2#15.3 LED2#16.3 LED2#17.3 LED2#18.3 LED2#19.3 LED2#20.3 LED2#21.3 LED2#22.3 LED2#23.3 LED2#24.3 LED2#25.3 LED2#26.3 LED2#27.3 LED2#28.3 LED2#29.3 LED2#30.3 LED2#31.3 LED2#32.3 LED2#33.3 LED2#34.3 LED2#35.3 LED2#36.3 LED2#37.3 LED2#38.3 LED2#39.3 LED2#40.3 LED2#41.3 LED2#42.3 LED2#43.3 LED2#44.3 LED2#45.3 LED2#46.3 LED2#47.3 LED2#48.3 LED2#49.3 LED3.3 LED3#2.3 LED3#3.3 LED3#4.3 LED3#5.3 LED3#6.3 LED3#7.3 LED3#8.3 LED3#9.3 LED3#10.3 LED3#11.3 LED3#12.3 LED3#13.3 LED3#14.3 LED3#15.3 LED3#16.3 LED3#17.3 LED3#18.3 LED3#19.3 LED3#20.3 LED3#21.3 LED3#22.3 LED3#23.3 LED3#24.3 LED3#25.3 LED3#26.3 LED3#27.3 LED3#28.3 LED3#29.3 LED3#30.3 LED3#31.3 LED3#32.3 LED3#33.3 LED3#34.3 LED3#35.3 LED3#36.3 LED3#37.3 LED3#38.3 LED3#39.3 LED3#40.3 LED3#41.3 LED3#42.3 LED3#43.3 LED3#44.3 LED3#45.3 LED3#46.3 LED3#47.3 LED3#48.3 LED3#49.3 LED4.3 LED4#2.3 LED4#3.3 LED4#4.3 LED4#5.3 LED4#6.3 LED4#7.3 LED4#8.3 LED4#9.3 LED4#10.3 LED4#11.3 LED4#12.3 LED4#13.3 LED4#14.3 LED4#15.3 LED4#16.3 LED4#17.3 LED4#18.3 LED4#19.3 LED4#20.3 LED4#21.3 LED4#22.3 LED4#23.3 LED4#24.3 LED4#25.3 LED4#26.3 LED4#27.3 LED4#28.3 LED4#29.3 LED4#30.3 LED4#31.3 LED4#32.3 LED4#33.3 LED4#34.3 LED4#35.3 LED4#36.3 LED4#37.3 LED4#38.3 LED4#39.3 LED4#40.3 LED4#41.3 LED4#42.3 LED4#43.3 LED4#44.3 LED4#45.3 LED4#46.3 LED4#47.3 LED4#48.3 LED4#49.3 LED5.3 LED5#2.3 LED5#3.3 LED5#4.3 LED5#5.3 LED5#6.3 LED5#7.3 LED5#8.3 LED5#9.3 LED5#10.3 LED5#11.3 LED5#12.3 LED5#13.3 LED5#14.3 LED5#15.3 LED5#16.3 LED5#17.3 LED5#18.3 LED5#19.3 LED5#20.3 LED5#21.3 LED5#22.3 LED5#23.3 LED5#24.3 LED5#25.3 LED5#26.3 LED5#27.3 LED5#28.3 LED5#29.3 LED5#30.3 LED5#31.3 LED5#32.3 LED5#33.3 LED5#34.3 LED5#35.3 LED5#36.3 LED5#37.3 LED5#38.3 LED5#39.3 LED5#40.3 LED5#41.3 LED5#42.3 LED5#43.3 LED5#44.3 LED5#45.3 LED5#46.3 LED5#47.3 LED5#48.3 LED5#49.3 LED6.3 LED6#2.3 LED6#3.3 LED6#4.3 LED6#5.3 LED6#6.3 LED6#7.3 LED6#8.3 LED6#9.3 LED6#10.3 LED6#11.3 LED6#12.3 LED6#13.3 LED6#14.3 LED6#15.3 LED6#16.3 LED6#17.3 LED6#18.3 LED6#19.3 LED6#20.3 LED6#21.3 LED6#22.3 LED6#23.3 LED6#24.3 LED6#25.3 LED6#26.3 LED6#27.3 LED6#28.3 LED6#29.3 LED6#30.3 LED6#31.3 LED6#32.3 LED6#33.3 LED6#34.3 LED6#35.3 LED6#36.3 LED6#37.3 LED6#38.3 LED6#39.3 LED6#40.3 LED6#41.3 LED6#42.3 LED6#43.3 LED6#44.3 LED6#45.3 LED6#46.3 LED6#47.3 LED6#48.3 LED6#49.3 LED7.3 LED7#2.3 LED7#3.3 LED7#4.3 LED7#5.3 LED7#6.3 LED7#7.3 LED7#8.3 LED7#9.3 LED7#10.3 LED7#11.3 LED7#12.3 LED7#13.3 LED7#14.3 LED7#15.3 LED7#16.3 LED7#17.3 LED7#18.3 LED7#19.3 LED7#20.3 LED7#21.3 LED7#22.3 LED7#23.3 LED7#24.3 LED7#25.3 LED7#26.3 LED7#27.3 LED7#28.3 LED7#29.3 LED7#30.3 LED7#31.3 LED7#32.3 LED7#33.3 LED7#34.3 LED7#35.3 LED7#36.3 LED7#37.3 LED7#38.3 LED7#39.3 LED7#40.3 LED7#41.3 LED7#42.3 LED7#43.3 LED7#44.3 LED7#45.3 LED7#46.3 LED7#47.3 LED7#48.3 LED7#49.3 PAD1.1 PAD1#2.1 PAD1#3.1 PAD1#4.1 PAD1#5.1 PAD1#6.1 PAD1#7.1 PAD1#8.1 PAD1#9.1 PAD1#10.1 PAD1#11.1 PAD1#12.1 PAD1#13.1 PAD1#14.1 PAD1#15.1 PAD1#16.1 PAD1#17.1 PAD1#18.1 PAD1#19.1 PAD1#20.1 PAD1#21.1 PAD1#22.1 PAD1#23.1 PAD1#24.1 PAD1#25.1 PAD1#26.1 PAD1#27.1 PAD1#28.1 PAD1#29.1 PAD1#30.1 PAD1#31.1 PAD1#32.1 PAD1#33.1 PAD1#34.1 PAD1#35.1 PAD1#36.1 PAD1#37.1 PAD1#38.1 PAD1#39.1 PAD1#40.1 PAD1#41.1 PAD1#42.1 PAD1#43.1 PAD1#44.1 PAD1#45.1 PAD1#46.1 PAD1#47.1 PAD1#48.1 PAD1#49.1 PAD4.1 PAD4#2.1 PAD4#3.1 PAD4#4.1 PAD4#5.1 PAD4#6.1 PAD4#7.1 PAD4#8.1 PAD4#9.1 PAD4#10.1 PAD4#11.1 PAD4#12.1 PAD4#13.1 PAD4#14.1 PAD4#15.1 PAD4#16.1 PAD4#17.1 PAD4#18.1 PAD4#19.1 PAD4#20.1 PAD4#21.1 PAD4#22.1 PAD4#23.1 PAD4#24.1 PAD4#25.1 PAD4#26.1 PAD4#27.1 PAD4#28.1 PAD4#29.1 PAD4#30.1 PAD4#31.1 PAD4#32.1 PAD4#33.1 PAD4#34.1 PAD4#35.1 PAD4#36.1 PAD4#37.1 PAD4#38.1 PAD4#39.1 PAD4#40.1 PAD4#41.1 PAD4#42.1 PAD4#43.1 PAD4#44.1 PAD4#45.1 PAD4#46.1 PAD4#47.1 PAD4#48.1 PAD4#49.1